# KiCad board Marble.kicad_pcb (continued)
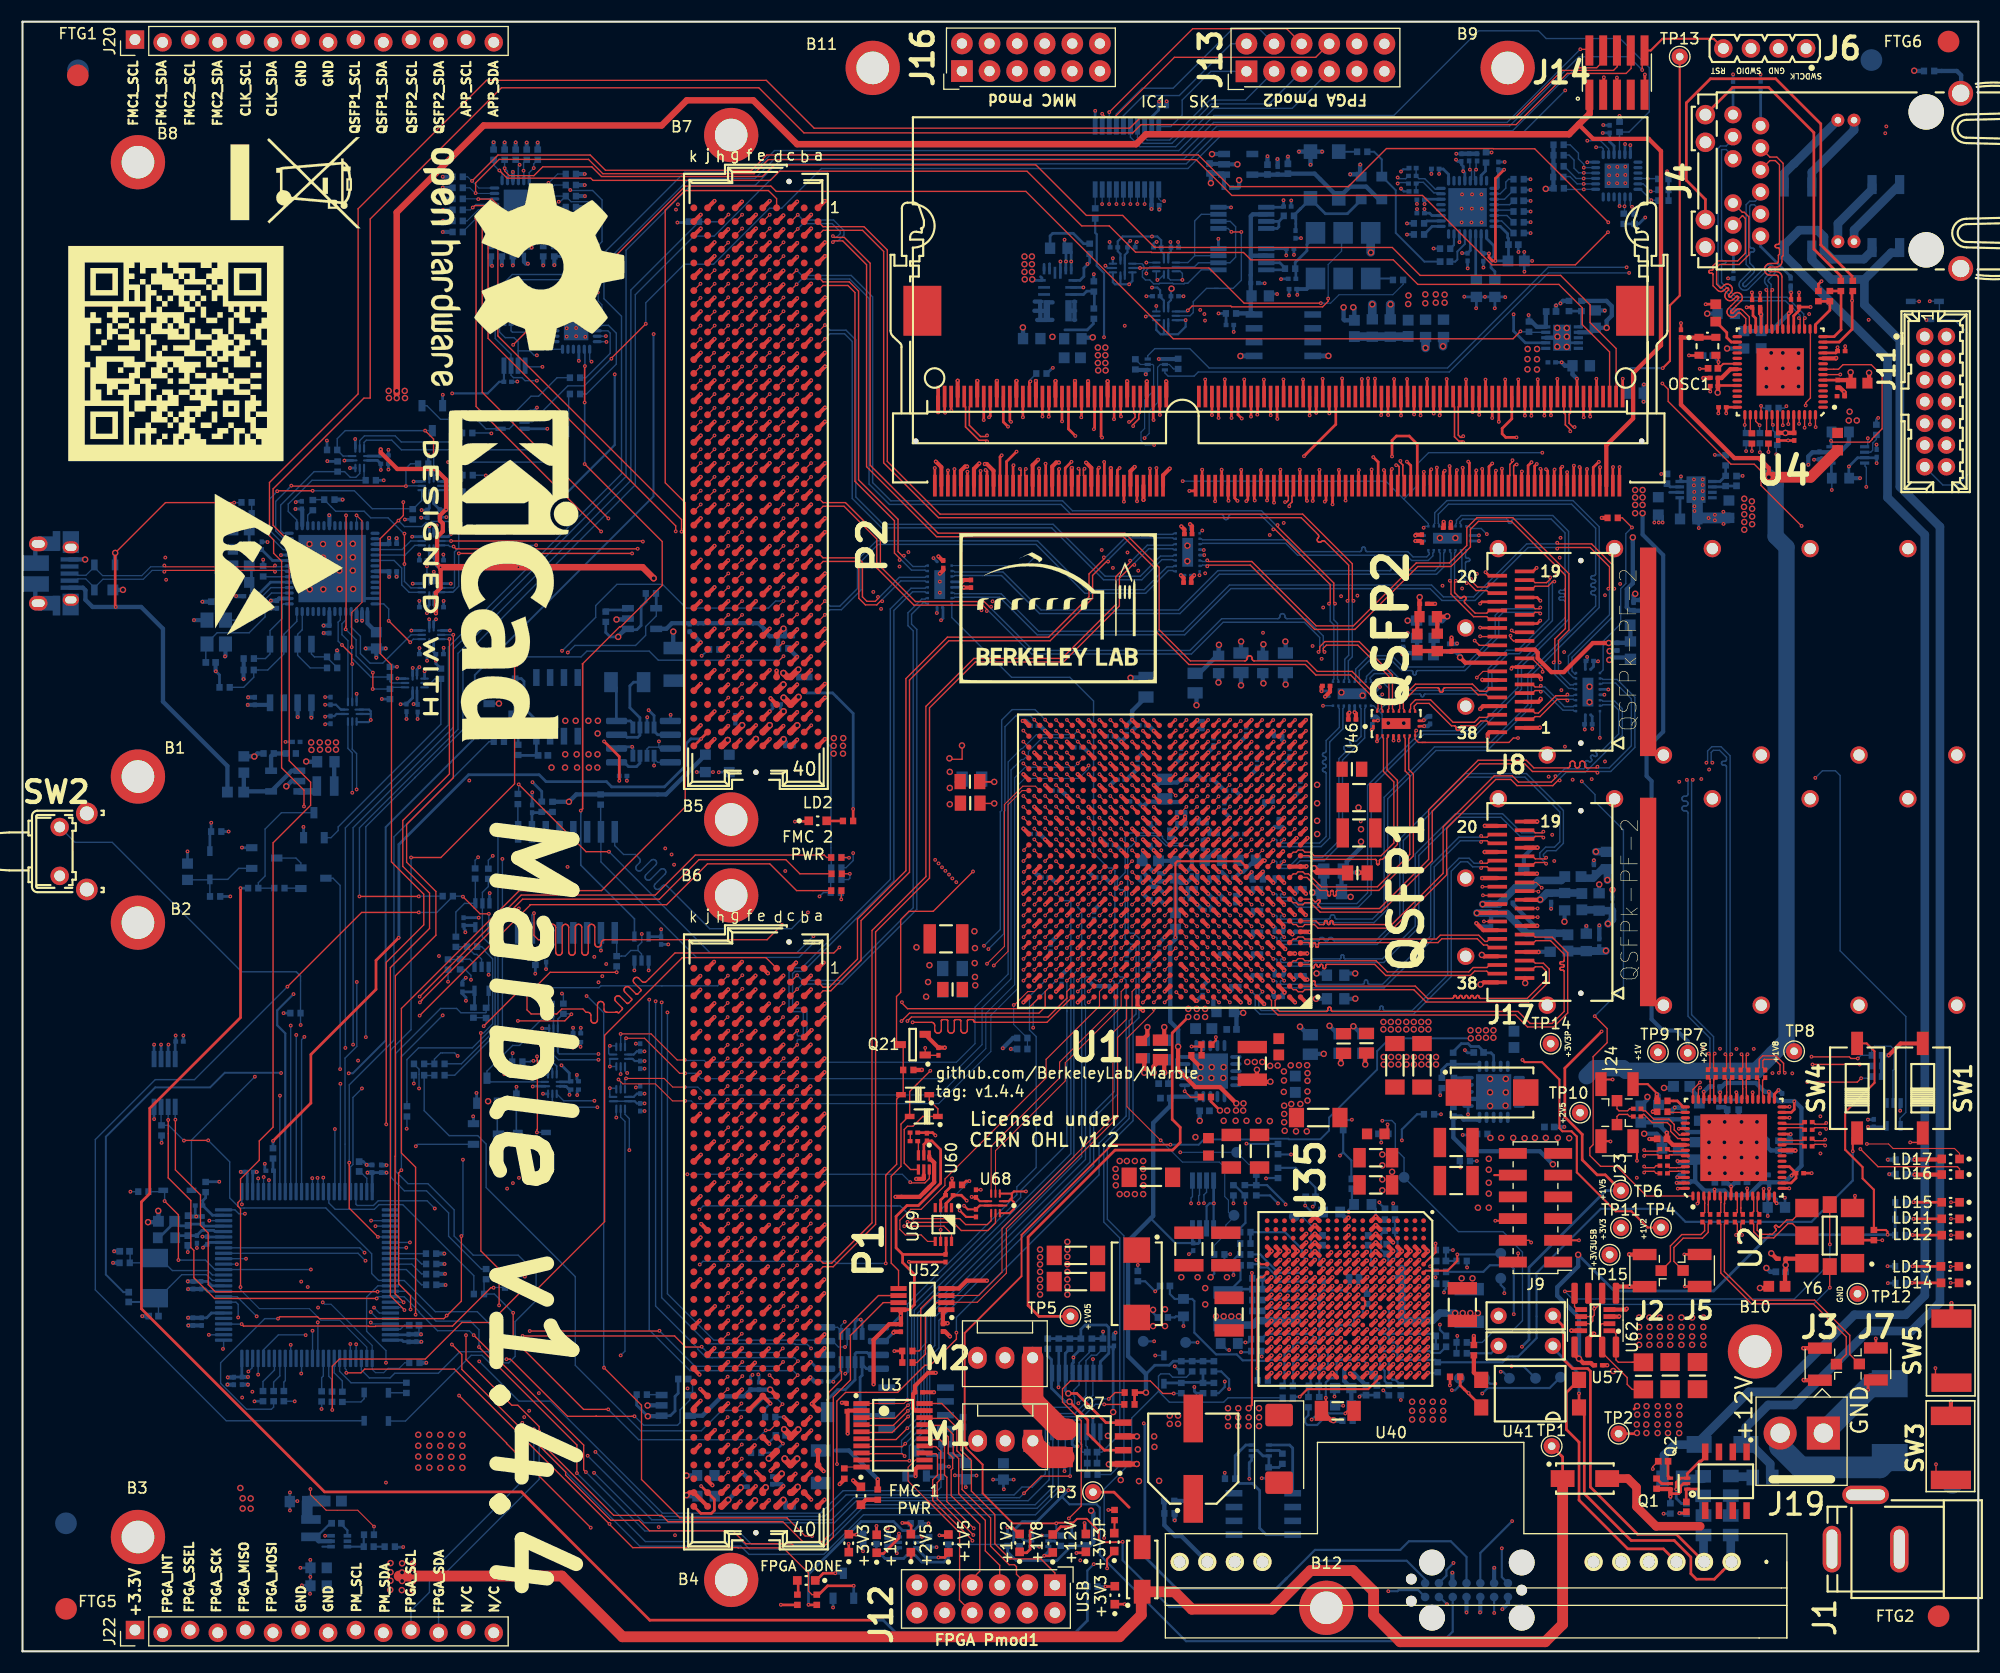
[diagram p0: board, top side]
## Routing (per net, layer and track width the routed paths; a pad name or vN(x,y) marks a point on that pad's centre or on a via; arc(x,y) is an arc through that point) (continued)
  Top w0.381: U1.M7 v1(112.12,70.73) ; U1.K4 v1(115.12,68.73) ; U1.M4 v1(115.12,70.73) ; U1.L5 v1(114.12,69.73) ; U1.M9 v1(110.12,70.73) ; U1.P13 v1(106.12,73.73) ; U1.L16 v1(102.12,69.73) ; U1.L12 v1(107.12,69.73) ; U1.V15 v1(103.12,77.73) ; U1.M15 v1(103.12,70.73) ; U1.AE14 v1(104.12,84.73) ; U1.AE24 v1(94.12,84.73) ; U1.R24 v1(94.12,74.73) ; U1.AD17 v1(101.12,83.73) ; U1.AA16 v1(102.12,80.73) ; U1.T15 v1(103.12,75.73) ; U1.AB23 v1(95.12,81.73) ; U1.AA26 v1(92.12,80.73) ; U1.U18 v1(100.12,76.73) ; U1.P15 v1(103.12,73.73) ; U1.P17 v1(101.12,73.73) ; U1.U14 v1(104.12,76.73) ; U1.L10 v1(109.12,69.73) ; U1.K11 v1(108.12,68.73) ; U1.L14 v1(104.12,69.73) ; U1.AC20 v1(98.12,82.73) ; U1.Y19 v1(99.12,79.73) ; U1.T13 v1(106.12,75.73) ; U1.R14 v1(104.12,74.73) ; U1.N14 v1(104.12,71.73) ; U1.K7 v1(112.12,68.73) ; U1.K9 v1(110.12,68.73) ; U1.K13 v1(105.12,68.73) ; U1.J12 v1(107.12,67.73) ; U1.T1 v1(118.12,75.73) ; U1.U10 v1(109.12,76.73) ; U1.G8 v1(111.12,65.73) ; U1.E7 v1(112.12,63.73) ; U1.Y9 v1(110.12,79.73) ; U1.F4 v1(115.12,64.73) ; U1.W12 v1(107.12,78.73) ; U1.A7 v1(112.12,59.73) ; U1.D4 v1(115.12,62.73) ; U1.D7 v1(112.12,62.73) ; U1.B7 v1(112.12,60.73) ; U1.C7 v1(112.12,61.73) ; U1.C5 v1(114.12,61.73) ; U1.U8 v1(111.12,76.73) ; U1.AC10 v1(109.12,82.73) ; U1.G5 v1(114.12,65.73) ; U1.R10 v1(109.12,74.73) ; U1.W2 v1(117.12,78.73) ; U1.N7 v1(112.12,71.73) ; U1.AD7 v1(112.12,83.73) ; U1.AF11 v1(108.12,85.73) ; U1.E5 v1(114.12,63.73) ; U1.F7 v1(112.12,64.73) ; U1.H7 v1(112.12,66.73) ; U1.T4 v1(115.12,75.73) ; U1.V5 v1(114.12,77.73) ; U1.P9 v1(110.12,73.73) ; U1.AF1 v1(118.12,85.73) ; U1.R8 v1(111.12,74.73) ; U1.R5 v1(114.12,74.73) ; U1.AA6 v1(113.12,80.73) ; U1.F11 v1(108.12,64.73) ; U1.H4 v1(115.12,66.73) ; U1.AB13 v1(106.12,81.73) ; U1.J5 v1(114.12,67.73) ; U1.AB3 v1(116.12,81.73) ; U1.T9 v1(110.12,75.73) ; U1.T11 v1(108.12,75.73) ; U1.N10 v1(109.12,71.73) ; U1.L1 v1(118.12,69.73) ; U1.P4 v1(115.12,73.73) ; U1.T3 v1(116.12,75.73) ; U1.C10 v1(109.12,61.73) ; U1.E8 v1(111.12,63.73) ; U1.A1 v1(118.12,59.73) ; U1.A2 v1(117.12,59.73) ; U1.K19 v1(99.12,68.73) ; U1.E24 v1(94.12,63.73) ; U1.E14 v1(104.12,63.73) ; U1.J22 v1(96.12,67.73) ; U1.A26 v1(92.12,59.73) ; U1.B13 v1(105.12,60.73) ; U1.M23 v1(95.12,70.73) ; U1.H15 v1(103.12,66.73) ; U1.D17 v1(101.12,62.73) ; U1.L26 v1(92.12,69.73) ; P1.A29 v1(73.81,27.91) ; P1.A28 v1(73.81,29.18) ; 138.27,71.57 139.38,71.57 v1(139.39,71.58) ; v1(62.33,30.45) 61.78,29.9 P1.K27 ; P2.H3 64.37,130.33 v1(64.94,130.9) ; P1.C40 70.7,13.34 v1(71.29,13.94) ; v1(62.38,24.15) 63.03,23.5 P1.J32 ; P2.G5 65.64,127.79 v1(66.22,128.36) ; P1.D3 69.43,60.33 v1(70.03,60.93) ; v1(84.27,114.06) 84.27,114.07 SK1.2 ; P2.H39 64.37,84.61 v1(64.94,85.18) ; v1(70.03,57.12) 69.43,56.52 P1.D6 ; P2.E26 v1(68.77,101.76) ; v1(64.94,127.09) 64.37,126.52 P2.H6 ; v1(88.06,109.34) 87.57,108.85 SK1.13 ; SK1.72 105.27,116.88 v1(105.25,116.89) ; P1.D37 68.87,16.61 v1(68.85,16.61) ; P2.E11 v1(68.77,120.81) ; v1(71.29,83.91) 70.72,83.34 P2.C40 ; P1.G26 65.62,31.12 v1(66.22,31.72) ; v1(63.65,46.93) 63.08,46.36 P1.J14 ; P1.F18 v1(67.46,41.88) ; 121.36,55.05 121.34,55.03 v2(121.34,54.13) ; P2.F36 v1(67.5,89.06) ; P2.H36 64.37,88.42 v1(64.94,88.99) ; P1.J20 v1(62.46,39.34) ; P1.C24 70.7,33.66 v1(71.29,34.26) ; P1.C12 70.7,48.9 v1(71.29,49.5) ; v1(66.22,59.66) 65.62,59.06 P1.G4 ; v1(71.29,44.42) 70.7,43.82 P1.C16 ; v1(64.94,100.42) 64.37,99.85 P2.H27 ; v1(64.94,119.47) 64.37,118.9 P2.H12 ; P1.B6 72.61,57.19 v1(72.62,57.19) ; P2.J8 v1(63.69,124.62) ; P1.H33 64.35,22.23 v1(64.94,22.83) ; P2.F39 v1(67.5,85.25) ; P1.H3 64.35,60.33 v1(64.94,60.93) ; v1(71.29,97.88) 70.72,97.31 P2.C29 ; v1(71.29,119.47) 70.72,118.9 P2.C12 ; 73.19,32.36 v1(73.78,32.96) ; U1.F21 97.12,64.73 v1(97.12,64.73) ; v1(98.07,116.91) 98.07,116.91 SK1.48 ; v2(61.11,14.37) 61.13,14.37 61.39,14.62 61.77,14.62 P1.K39 P1.J40 ; v1(97.12,75.73) 97.12,75.73 U1.T21 ; P2.C13 70.72,117.63 v1(71.29,118.2) ; P2.B35 v1(72.58,90.33) ; v1(64.94,115.66) 64.37,115.09 P2.H15 ; P1.A12 v1(73.81,49.5) ; C314.2 v1(83.89,23.84) ; v1(139.72,87.68) 139.72,87.6 139.53,87.4 J8.4 ; v1(84.06,109.51) 84.57,109 SK1.3 ; v1(63.73,31.77) 63.08,31.12 P1.J26 ; P1.K15 61.81,45.09 v1(62.43,45.71) ; v1(71.29,43.15) 70.7,42.55 P1.C17 ; v1(107,76.83) 107,76.61 U1.U12 ; P2.C17 70.72,112.55 v1(71.29,113.12) ; 114.35,52.42 114.84,52.42 v2(114.85,52.43) ; P1.A13 73.21,47.65 v1(73.78,48.23) ; P1.C8 70.7,53.98 v1(71.29,54.58) ; P2.K39 v1(62.42,85.25) ; v1(64.94,38.07) 64.35,37.47 P1.H21 ; P2.K2 v1(62.42,132.24) ; P2.J29 v1(63.69,97.95) ; P1.G29 65.62,27.31 v1(66.22,27.91) ; P1.D19 69.43,40.01 v1(70.03,40.61) ; P1.K18 v1(62.41,41.9) ; v1(71.29,58.39) 70.7,57.79 P1.C5 ; P2.E40 v1(68.77,83.98) ; P2.G40 65.59,83.42 v1(66.09,83.91) ; P2.G23 v1(66.23,105.57) ; v1(70.03,127.09) 69.45,126.52 P2.D6 ; v1(106.65,103.55) 106.94,103.26 C395.2 ; P1.B34 71.94,20.98 v1(72.54,21.58) ; P2.D3 69.45,130.33 v1(70.03,130.9) ; v1(70.03,29.18) 69.43,28.58 P1.D28 ; v1(73.73,16.58) 73.21,17.1 P1.A37 P1.A36 ; P1.C33 70.7,22.23 v1(71.29,22.83) ; J8.7 139.53,89.8 139.75,89.58 v1(139.75,89.47) ; P2.J32 v1(63.69,94.14) ; v1(66.22,46.96) 65.62,46.36 P1.G14 ; v1(97.89,109.41) 98.37,108.93 SK1.49 ; SK1.55 100.17,108.9 v1(100.16,108.91) ; v1(71.29,108.04) 70.72,107.47 P2.C21 ; U3.11 82.38,16.96 82.19,16.77 v1(82.19,16.12) ; J8.35 134.42,87 v1(134.15,86.73) ; P2.G14 65.64,116.36 v1(66.22,116.93) ; P2.A9 v1(73.85,123.35) ; v1(96.12,78.73) 96.12,78.73 U1.W22 ; v1(64.94,41.88) 64.35,41.28 P1.H18 ; P1.F12 v1(67.46,49.5) ; P2.B34 v1(72.58,91.6) ; U1.N5 114.18,72.79 v1(114.32,72.79) ; P2.K36 v1(62.42,89.06) ; v1(67.38,18.96) 66.86,18.44 P1.F36 ; P1.D25 69.43,32.39 v1(70.03,32.99) ; SK1.65 103.17,105.99 v1(103.17,105.98) ; v1(64.94,30.45) 64.35,29.85 P1.H27 ; P2.F21 v1(67.5,108.11) ; v1(118.24,64.24) 118.23,64.23 U1.E1 ; P1.F33 P1.E32 68.14,23.5 v1(68.83,22.81) ; P2.A17 v1(73.85,113.19) ; P1.D39 69.43,14.61 v1(70.03,15.21) ; 61.78,61.57 v1(62.38,62.17) ; P2.C16 70.72,113.82 v1(71.29,114.39) ; P2.C36 70.72,88.42 v1(71.29,88.99) ; P1.F21 v1(67.43,38.04) ; U1.A16 102.62,59.42 102.87,59.17 102.91,59.17 103.14,58.95 ; v1(68.68,27.88) 68.13,27.33 P1.E29 ; P2.C28 70.72,98.58 v1(71.29,99.15) ; P1.G38 65.62,15.88 v1(66.22,16.48) ; P2.H33 64.37,92.23 v1(64.94,92.8) ; SW3.1 v1(177.48,22.98) ; P2.A8 v1(73.85,124.62) ; P1.D16 69.43,43.82 v1(70.03,44.42) ; v1(66.22,58.39) 65.62,57.79 P1.G5 ; P2.K33 v1(62.42,92.87) ; v1(86.94,109.06) 86.75,109.06 86.37,108.68 SK1.9 ; P2.B11 v1(72.58,120.81) ; v1(71.29,27.91) 70.7,27.31 P1.C29 ; v1(118.46,66.19) 118.42,66.23 U1.G1 ; P2.E14 v1(68.77,117) ; P1.D13 69.43,47.63 v1(70.03,48.23) ; P2.E32 v1(68.77,94.14) ; P2.J23 v1(63.69,105.57) ; v1(67.43,53.31) 66.86,52.73 P1.F9 ; P2.E20 v1(68.77,109.38) ; P2.E1 v1(68.77,133.51) ; P1.C1 v1(71.19,63.39) ; P2.E17 v1(68.77,113.19) ; v1(67.46,45.66) 66.89,45.09 P1.F15 ; v1(70.03,122.01) 69.45,121.44 P2.D10 ; P2.C38 70.72,85.88 v1(71.29,86.45) ; 73.19,33.63 v1(73.78,34.23) ; P2.H18 64.37,111.28 v1(64.94,111.85) ; U1.J2 117.07,67.78 v1(117.1,67.78) ; v1(63.73,20.37) 63.05,19.7 P1.J35 ; P1.C21 70.7,37.47 v1(71.29,38.07) ; v2(123.58,54.02) 123.58,55.01 123.54,55.05 ; P2.C9 70.72,122.71 v1(71.29,123.28) ; v1(96.86,116.93) 96.87,116.92 SK1.44 ; P1.E1 68.59,62.41 v1(68.6,62.41) ; P1.A40 73.21,13.36 v1(73.81,13.96) ; v1(64.94,123.28) 64.37,122.71 P2.H9 ; v1(117.25,74.85) 117.24,74.85 U1.R2 ; v1(68.7,39.26) 68.18,38.74 P1.E20 ; 71.92,46.36 v1(72.51,46.96) ; P2.D7 69.45,125.25 v1(70.03,125.82) ; P2.J40 v1(63.69,83.98) ; P2.G35 65.64,89.69 v1(66.22,90.26) ; v1(70.03,85.18) 69.45,84.61 P2.D39 ; U1.N20 98.12,71.73 v1(98.12,71.73) ; P1.C32 70.7,23.5 v1(71.29,24.1) ; v1(71.29,94.07) 70.72,93.5 P2.C32 ; v1(64.94,45.69) 64.35,45.09 P1.H15 ; 73.24,37.42 v1(73.84,38.01) ; v1(71.29,53.31) 70.7,52.71 P1.C9 ; v1(70.03,36.8) 69.43,36.2 P1.D22 ; P1.K6 v1(62.38,57.12) ; P1.G11 65.62,50.17 v1(66.22,50.77) ; v1(114.28,59.58) 114.27,59.58 U1.A5 ; 86.07,116.95 v1(86.07,116.95) SK1.8 ; P1.C20 70.7,38.74 v1(71.29,39.34) ; U1.E2 117.11,64.23 v1(117.12,64.22) ; P1.K30 61.78,25.99 v1(62.3,25.47) ; P1.B31 72.07,24.77 v1(72.51,25.21) ; P2.B30 v1(72.58,96.68) ; 71.94,39.98 v1(72.54,40.58) ; P2.B3 v1(72.58,130.97) ; v1(67.5,16.53) 68.13,15.9 P1.E38 ; P1.A8 v1(73.81,54.58) ; P2.D16 69.45,113.82 v1(70.03,114.39) ; v1(66.22,39.34) 65.62,38.74 P1.G20 ; P1.E4 v1(68.7,59.63) ; P1.A9 v1(73.81,53.31) ; C397.2 84.74,99.52 v1(84.43,99.2) ; P1.E11 v1(68.7,50.74) ; v1(67.48,15.21) 66.89,14.61 P1.F39 ; v1(70.03,106.77) 69.45,106.2 P2.D22 ; P2.C4 70.72,129.06 v1(71.29,129.63) ; v1(128.19,102.2) 128.68,102.2 C292.2 ; SK1.20 89.67,116.93 v1(89.68,116.94) ; P2.G32 65.64,93.5 v1(66.22,94.07) ; SK1.43 96.57,108.92 v1(96.58,108.93) ; v1(66.22,35.53) 65.62,34.93 P1.G23 ; P1.G1 65.62,62.87 v1(66.22,63.47) ; v1(88.57,109.29) 88.76,109.29 89.37,108.68 SK1.19 ; P2.A1 v1(73.85,133.51) ; 71.92,45.09 v1(72.51,45.69) ; P1.A32 73.21,23.35 v1(72.64,22.77) 73.19,22.23 P1.A33 ; P1.E17 v1(68.7,43.12) ; P2.G20 65.64,108.74 v1(66.22,109.31) ; P2.F30 v1(67.5,96.68) ; P1.H9 64.35,52.71 v1(64.94,53.31) ; P1.J23 v1(63.65,35.53) ; SK1.66 103.47,116.89 v1(103.48,116.89) ; P2.B7 v1(72.58,125.89) ; U1.C1 118.03,61.82 v1(118.25,61.82) ; v1(116.02,73.64) 116.02,73.63 U1.P3 ; P1.B39 v1(72.59,13.96) ; v1(70.03,62.2) 69.43,61.6 P1.D2 ; P2.D37 68.85,87.7 v1(68.85,87.73) ; v1(66.22,54.58) 65.62,53.98 P1.G8 ; C306.2 130.79,103.45 v1(130.79,103.97) ; P2.A33 v1(73.85,92.87) ; v1(134.35,89.43) 134.38,89.4 J8.32 ; P2.A40 v1(73.85,83.98) ; P1.C28 70.7,28.58 v1(71.29,29.18) ; P2.A25 v1(73.85,103.03) ; v2(108.43,53.77) 107.6,54.61 107.6,54.77 ; 73.24,43.82 v1(73.84,44.42) ; P2.A21 v1(73.85,108.11) ; v1(93.14,66.73) 93.14,66.75 U1.H25 ; v1(75.41,22.88) 75.86,22.88 ; v1(71.29,133.44) 70.72,132.87 P2.C1 ; v1(95.12,60.74) 95.13,60.74 U1.B23 ; v1(102.36,109.02) 101.97,108.63 SK1.61 ; P1.K21 v1(62.41,38.09) ; P2.K27 v1(62.42,100.49) ; P2.F2 v1(67.5,132.24) ; P2.E4 v1(68.77,129.7) ; P2.E5 v1(68.77,128.43) ; P1.E26 v1(68.75,31.74) ; P2.K18 v1(62.42,111.92) ; P2.A36 v1(73.85,89.06) ; P2.B14 v1(72.58,117) ; P2.E29 v1(68.77,97.95) ; v1(106.61,99.05) 106.86,98.8 C104.2 ; P2.F12 v1(67.5,119.54) ; v1(62.41,23.06) 61.78,22.44 P1.K33 ; P2.J26 v1(63.69,101.76) ; P2.F9 v1(67.5,123.35) ; v1(71.29,92.8) 70.72,92.23 P2.C33 ; v1(97.12,85.73) 97.12,85.73 U1.AF21 ; U1.B4 115.12,60.73 115.12,60.71 v1(115.15,60.68) ; v1(116.1,68.7) 116.1,68.75 U1.K3 ; P1.E23 68.13,34.95 v1(68.6,35.42) ; v1(105.13,70.73) 105.13,70.74 U1.M13 ; P2.K9 v1(62.42,123.35) ; 174.89,55.94 172.85,55.94 v1(171.76,54.86) ; P1.K36 v1(62.35,18.99) ; P1.C36 70.7,18.42 v1(71.29,19.02) ; P1.B10 v1(72.51,52.01) ; P2.A16 73.21,113.84 v1(73.85,114.48) ; 73.24,59.03 v1(73.84,59.63) ; v1(119.56,88.38) 119.56,88.78 C396.2 ; P2.K21 v1(62.42,108.11) ; v1(70.03,132.17) 69.45,131.6 P2.D2 ; v1(115.13,84.73) 115.12,84.73 U1.AE4 ; P2.A5 v1(73.85,128.43) ; v1(118.17,72.26) 118.14,72.23 U1.N1 U1.N2 ; v1(66.22,129.63) 65.64,129.06 P2.G4 ; v1(87.88,116.94) 87.87,116.93 SK1.14 ; P2.F33 v1(67.5,92.87) ; P2.A32 v1(73.85,94.14) ; C305.2 122.72,86.31 v1(122.6,86.43) ; v1(91.49,116.94) 91.47,116.92 SK1.26 ; J8.38 135.02,84.6 134.85,84.43 v1(134.85,84.13) ; SK1.54 99.87,116.9 v1(99.87,116.91) ; P1.J1 v1(63.65,63.47) ; P2.J20 v1(63.69,109.38) ; v1(116.21,64.63) 116.21,64.64 U1.F3 ; P2.K15 v1(62.42,115.73) ; P1.E8 68.16,53.98 v1(68.75,54.58) ; P2.B26 v1(72.58,101.76) ; 73.24,42.55 v1(73.84,43.15) ; v1(64.94,57.12) 64.35,56.52 P1.H6 ; v1(133.8,67.02) 134.45,66.37 135.76,66.37 ; P2.G11 65.64,120.17 v1(66.22,120.74) ; v1(139.65,85.03) 139.62,85 J8.1 ; P2.H24 64.37,103.66 v1(64.94,104.23) ; 71.97,34.93 v1(72.56,35.53) ; v1(66.09,13.81) 65.62,13.34 P1.G40 ; P1.B11 v1(72.56,50.79) ; P1.G35 65.62,19.69 v1(66.22,20.29) ; v1(66.22,133.44) 65.64,132.87 P2.G1 ; P1.B38 71.94,15.9 v1(72.56,16.53) ; v1(63.67,27.91) 63.08,27.31 P1.J29 ; P2.B2 v1(72.58,132.24) ; U1.G18 v1(100.12,65.73) ; P1.K12 v1(62.38,49.5) ; P2.D13 69.45,117.63 v1(70.03,118.2) ; P2.C20 70.72,108.74 v1(71.29,109.31) ; v1(84.88,55.57) 84.88,55.56 C418.2 83.08,56.78 Q21.2 ; P2.G17 65.64,112.55 v1(66.22,113.12) ; P2.K3 v1(62.42,130.97) ; v1(71.29,124.55) 70.72,123.98 P2.C8 ; P1.H12 64.35,48.9 v1(64.94,49.5) ; U1.R1 118.25,74.86 v1(118.25,74.87) ; U1.J1 118.08,67.77 v1(118.11,67.77) ; P2.G38 65.64,85.88 v1(66.22,86.45) ; P2.F24 v1(67.5,104.3) ; v1(64.94,34.26) 64.35,33.66 P1.H24 ; SW5.1 v1(177.53,32.06) ; P2.J35 v1(63.69,90.33) ; v1(64.94,108.04) 64.37,107.47 P2.H21 ; v1(98.12,61.73) 98.12,61.73 U1.C20 ; P2.C5 70.72,127.79 v1(71.29,128.36) ; v1(64.94,15.21) 64.35,14.61 P1.H39 ; v1(105.59,108.87) 104.97,108.25 SK1.71 ; 71.97,60.33 v1(72.56,60.93) ; 113.61,52.41 v2(113.61,53.53) ; v1(95.07,116.93) 95.07,116.93 SK1.38 ; P2.F6 v1(67.5,127.16) ; v1(71.29,32.99) 70.7,32.39 P1.C25 ; P1.C4 70.7,59.06 v1(71.29,59.66) ; v1(64.94,26.64) 64.35,26.04 P1.H30 ; P1.A1 v1(73.73,63.39) ; P2.F18 v1(67.5,111.92) ; P1.K24 v1(62.38,34.26) ; 71.97,36.2 v1(72.56,36.8) ; P2.G26 65.64,101.12 v1(66.22,101.69) ; v1(93.47,109.68) 92.97,109.18 SK1.31 ; P2.D19 69.45,110.01 v1(70.03,110.58) ; P2.C24 70.72,103.66 v1(71.29,104.23) ; P1.F3 v1(67.46,60.93) ; P1.E40 v1(68.7,13.91) ; SK1.32 93.27,116.93 v1(93.27,116.93) ; P1.J11 v1(63.67,50.79) ; P2.A20 v1(73.85,109.38) ; P2.B15 v1(72.58,115.73) ; P1.C38 v1(71.14,16.35) ; P2.H30 v1(64.96,96.68) ; P2.J5 v1(63.69,128.43) ; v1(66.09,43.15) 66.09,43.04 P1.G17 ; P2.F27 v1(67.5,100.49) ; 73.24,57.76 v1(73.84,58.36) ; U1.A6 112.93,59.92 v1(112.93,59.68) ; P2.E23 v1(68.77,105.57) ; v1(101.66,116.91) 101.67,116.9 SK1.60 ; P2.B23 v1(72.58,105.57) ; v1(95.39,109.43) 95.14,109.43 94.77,109.05 SK1.37 ; P2.A37 v1(73.85,87.79) ; P2.G8 65.64,123.98 v1(66.22,124.55) ; P1.B35 v1(72.59,20.34) ; P1.F2 v1(67.46,62.2) ; v1(63.62,54.58) 63.05,54 P1.J8 ; P1.G32 65.62,23.5 v1(66.22,24.1) ; P2.B19 v1(72.58,110.65) ; v1(66.22,97.88) 65.64,97.31 P2.G29 ; v1(64.94,19.02) 64.35,18.42 P1.H36 ; P2.B6 v1(72.58,127.16) ; v1(67.41,26.57) 66.88,26.04 P1.F30 ; P2.F3 v1(67.5,130.97) ; v1(70.03,99.15) 69.45,98.58 P2.D28 ; P2.E8 v1(68.77,124.62) ; P2.J1 v1(63.69,133.51) ; P2.B31 v1(72.58,95.41) ; v1(63.5,15.28) 63.05,15.73 P1.J38 ; P1.B30 v1(72.54,26.64) ; P2.B22 v1(72.58,106.84) ; P1.D7 69.43,55.25 v1(70.03,55.85) ; P2.A4 v1(73.85,129.7) ; P2.K12 v1(62.42,119.54) ; v1(86.41,98.39) 86.63,98.61 C37.2 ; P2.J11 v1(63.69,120.81) ; P2.J38 v1(63.69,86.52) ; R300.2 v1(145.35,104.33) ; P1.E35 v1(68.73,19.09) ; 71.94,41.25 v1(72.54,41.85) ; P2.B27 v1(72.58,100.49) ; P2.E35 v1(68.77,90.33) ; U1.V25 93.12,77.73 v1(93.12,77.74) ; P2.K6 v1(62.42,127.16) ; P1.D10 69.43,51.44 v1(70.03,52.04) ; P2.D25 v1(70.04,103.03) ; P2.C25 v1(71.31,103.03) ; P2.B10 v1(72.58,122.08) ; 61.78,60.3 v1(62.38,60.9) ; 71.97,61.6 v1(72.56,62.2) ; P1.E14 v1(68.65,46.88) ; P2.A29 v1(73.85,97.95) ; P2.K24 v1(62.42,104.3) ; P2.A24 v1(73.85,104.3) ; P2.B18 v1(72.58,111.92) ; P2.F15 v1(67.5,115.73) ; v1(62.35,53.31) 61.78,52.73 P1.K9 ; P1.B7 v1(72.54,55.85) ; P2.J14 v1(63.69,117) ; P2.K30 v1(62.42,96.68) ; P1.F24 66.86,33.71 v1(67.43,34.28) ; P1.E5 v1(68.68,58.33) ; P2.J4 v1(63.69,129.7) ; P1.J17 v1(63.67,43.17) ; P2.A28 v1(73.85,99.22) ; P2.B38 v1(72.58,86.52) ; P1.F27 v1(67.43,30.42) ; 71.94,31.09 v1(72.54,31.69) ; P1.F6 v1(67.46,57.12) ; P1.C13 70.7,47.63 v1(71.29,48.23) ; P2.E38 v1(68.77,86.52) ; P2.J17 v1(63.69,113.19) ; 73.24,38.69 v1(73.84,39.28) ; 63.08,59.06 v1(63.67,59.66) ; 63.08,57.79 v1(63.67,58.39) ; 71.94,29.82 v1(72.54,30.42) ; P2.A13 v1(73.85,118.27) ; P2.A12 v1(73.85,119.54)
  Top w0.4: v1(139.4,76.38) 139.4,76.37 138.27,76.37 ; v1(134.59,75.98) 134.6,75.97 135.76,75.97 ; 135.76,71.17 134.34,71.17 v1(134.33,71.17) ; v1(139.4,66.78) 139.4,66.77 138.27,66.77 ; 135.76,63.97 134.49,63.97 134.49,63.97 ; 138.27,64.37 139.52,64.37 v1(139.53,64.36) ; 134.49,61.57 134.49,61.57 135.76,61.57 ; 138.27,73.97 139.42,73.97 v1(139.43,73.98) ; 135.76,73.57 134.58,73.57 v1(134.58,73.57) ; 122.93,71.67 123.3,71.67 ; U35.W9 v1(114.95,33.63) ; U35.P3 v1(118.95,38.43) U35.N3 ; U35.N19 v1(119.75,25.63) ; v1(163.9,27.9) 163.91,27.9 J3.2 ; U35.D4 v1(126.95,36.83) U35.D5 ; U35.U14 v1(116.55,29.63) ; U35.L19 v1(120.55,25.63) U35.M19 ; U35.A9 v1(129.35,33.63) ; U35.V8 v1(115.75,34.43) ; U35.R3 v1(118.15,38.43) ; U35.B12 v1(128.55,31.23) ; U35.R19 v1(118.15,25.63) ; U35.E17 v1(126.15,27.23) ; U35.W12 v1(114.95,31.23) ; U35.E14 v1(126.15,29.63) ; U35.T14 v1(117.35,29.63) ; U35.V12 v1(115.75,31.23) ; U35.J15 v1(122.95,28.83) ; v2(105.08,53.26) 105.08,54.1 C287.2 104.1,53.83 v2(104.1,53.25) ; U35.T16 v1(117.35,28.03) ; U35.L17 v1(121.35,27.23) ; v2(169.95,117.68) 169.95,116.73 ; C53.2 167.26,116.32 v1(167.65,115.93) 167.7,115.88 C46.2 ; v1(144.65,29.23) 144.55,29.23 144.11,28.8 U62.6 ; U35.V6 v1(115.75,36.03) ; U35.F2 v1(124.55,39.23) U35.G2 ; C303.2 130.21,95.2 C297.2 131.09,95.23 v2(131.13,95.27) ; v1(82.25,43.48) 82.9,43.48 82.95,43.53 82.95,43.83 ; U35.B7 v1(128.55,35.23) ; U35.U16 v1(116.55,28.03) ; U35.A10 v1(129.35,32.83) ; U35.P5 v1(118.95,36.83) U35.N5 ; U35.C10 v1(127.75,32.83) ; C293.2 v1(130,96.42) ; U35.F1 v1(124.55,40.03) U35.G1 ; U35.C11 v1(127.75,32.03) ; U35.T5 v1(117.35,36.83) U35.T4 ; R34.2 150.06,49.66 v1(150.05,49.67) ; U35.B18 v1(128.55,26.43) ; U35.T18 v1(117.35,26.43) ; U35.P13 v1(118.95,30.43) ; U35.K13 v1(122.15,30.43) ; v1(146.95,30.83) 146.92,30.81 U57.3 ; U35.B15 v1(128.55,28.83) ; v1(116.45,32.73) 116.15,32.43 U35.U10 ; U35.R16 v1(118.15,28.03) ; U35.R4 v1(118.15,37.63) ; v1(122.04,39.91) 122.03,39.91 U35.K1 ; U35.E4 v1(126.15,36.83) U35.E5 ; U35.A11 v1(129.35,32.03) ; U35.N12 v1(119.75,31.23) ; U35.J7 v1(122.95,35.23) ; U35.G4 v1(124.55,37.63) U35.F4 ; U35.D15 v1(126.95,28.83) ; U35.N4 v1(118.95,37.63) U35.P4 ; U35.G3 v1(124.55,38.43) U35.F3 ; C29.2 161.45,36.13 v2(160.95,36.63) ; 138.27,61.97 138.3,61.94 v2(138.3,61.51) ; U35.H7 v1(123.75,35.23) ; v1(76.45,15.73) 77.04,15.14 LD1.1 ; v1(80.16,29.33) 80.24,29.41 C20.2 ; U35.J14 v1(122.95,29.63) ; U35.V18 v1(115.75,26.43) ; U35.B14 v1(128.55,29.63) ; U35.B11 v1(128.55,32.03) ; v1(125.33,35.96) 125.28,35.96 U35.F6 ; U35.C14 v1(127.75,29.63) ; U35.B17 v1(128.55,27.23) ; U35.H14 v1(123.75,29.63) ; U35.W4 v1(114.95,36.83) U35.W5 ; C21.2 84.9,29.43 v1(85.36,28.98) ; U35.V7 v1(115.75,35.23) ; U35.E18 v1(126.15,26.43) ; U35.R18 v1(118.15,26.43) ; U35.A12 v1(129.35,31.23) ; U35.C18 v1(127.75,26.43) ; U35.K14 v1(122.15,29.63) ; U35.V10 v1(115.75,32.83) ; U35.C15 v1(127.75,28.83) ; v2(103.24,53.25) 103.24,54.31 C281.2 ; U35.W16 v1(114.95,28.03) ; U35.B9 v1(128.55,33.63) ; U35.M13 v1(120.55,30.43) ; U35.N6 v1(119.75,36.03) ; U35.K4 v1(122.05,37.53) ; C300.2 131.52,92.75 v1(131.52,93.31) ; U35.G10 v1(124.55,32.83) ; U35.J16 v1(122.95,28.03) ; U35.B4 v1(128.55,36.83) U35.B5 ; U35.G5 v1(124.55,36.83) U35.F5 ; U35.A15 v1(129.35,28.83) ; U35.T17 v1(117.35,27.23) ; v1(123.73,36.75) 123.67,36.75 U35.H5 ; U35.C6 v1(127.75,36.03) ; U35.D14 v1(126.95,29.63) ; U35.B6 v1(128.55,36.03) ; U35.A17 v1(129.35,27.23) ; U35.T19 v1(117.35,25.63) ; U35.J9 v1(122.95,33.63) ; U35.V16 v1(115.75,28.03) ; U35.G6 124.52,36 v1(124.52,36.04) ; U35.A19 v1(129.35,25.63) ; U35.E15 v1(126.15,28.83) ; v1(147.87,36.54) 147.89,36.52 J2.2 ; C378.2 v1(145.85,26.33) ; U35.C16 v1(127.75,28.03) ; U35.B8 v1(128.55,34.43) ; U35.V4 v1(115.75,36.83) U35.V5 ; U35.C17 v1(127.75,27.23) ; U35.V17 v1(115.75,27.23) ; U35.C4 v1(127.75,36.83) U35.C5 ; U35.J18 v1(122.95,26.43) ; U35.A4 v1(129.35,36.83) U35.A5 ; U35.W15 v1(114.95,28.83) ; U35.V9 v1(115.75,33.63) ; U35.U11 116.15,31.63 v1(116.45,31.93) ; U35.R17 v1(118.15,27.23) ; U35.K5 v1(122.05,36.73) ; U35.D6 v1(126.95,36.03) ; U35.W10 v1(114.95,32.83) ; U35.W11 v1(114.95,32.03) ; U35.R13 v1(118.15,30.43) ; R33.2 150.42,50.71 v1(150.42,51.27) ; U35.M5 v1(120.45,36.73) ; U35.L7 v1(121.35,35.23) ; U35.W18 v1(114.95,26.43) ; U35.M17 v1(120.55,27.23) ; U35.L13 v1(121.35,30.43) ; U35.U17 v1(116.55,27.23) ; U35.A8 v1(129.35,34.43) ; U35.U19 v1(116.55,25.63) ; U35.D16 v1(126.95,28.03) ; U35.U4 v1(116.55,36.83) U35.U5 ; v1(142.55,29.53) 142.58,29.51 U57.8 ; v1(166.93,119.05) 166.89,119.01 U4.10 ; U35.V11 v1(115.75,32.03) ; U35.V15 v1(115.75,28.83) ; U35.C8 v1(127.75,34.43) ; U35.W14 v1(114.95,29.63) ; U35.M12 v1(120.55,31.23) ; U62.1 146.66,33.34 146.89,33.57 v1(147.88,33.57) 147.88,33.57 J2.2 ; U35.H16 v1(123.75,28.03) ; U35.P18 v1(118.95,26.43) ; U35.U18 v1(116.55,26.43) ; U35.U7 v1(116.55,35.23) ; U35.U15 v1(116.55,28.83) ; U35.N17 v1(119.75,27.23) ; U35.A16 v1(129.35,28.03) ; U35.M14 v1(120.55,29.63) ; U35.N18 v1(119.75,26.43) ; U35.K3 v1(122.05,38.33) ; U35.K2 v1(122.05,39.13) ; U35.L11 v1(121.35,32.03) ; U35.P14 v1(118.95,29.63) ; U35.B19 v1(128.55,25.63) ; U35.F7 v1(125.35,35.23) ; U35.K12 v1(122.15,31.23) ; U35.L16 v1(121.35,28.03) ; U35.P19 v1(118.95,25.63) ; U35.E3 v1(126.15,37.63) ; U35.J13 v1(122.95,30.43) ; v1(163.93,24.98) 163.96,24.95 J3.2 ; v1(88.76,34.12) 86.9,34.12 86.18,33.39 U52.4 ; U35.K16 v1(122.15,28.03) ; U35.R12 v1(118.15,31.23) ; U35.V19 v1(115.75,25.63) ; U35.K7 v1(122.15,35.23) ; U35.R5 v1(118.15,36.83) ; U35.P1 v1(118.95,40.03) U35.N1 ; U35.V14 v1(115.75,29.63) ; U35.M15 v1(120.55,28.83) ; U35.H12 v1(123.75,31.23) ; U35.W17 v1(114.95,27.23) ; U35.D17 v1(126.95,27.23) ; U35.D18 v1(126.95,26.43) ; U35.P12 v1(118.95,31.23) ; U35.E16 v1(126.15,28.03) ; U35.G12 v1(124.55,31.23) ; U35.L15 v1(121.35,28.83) ; U35.U12 116.15,30.83 v1(116.45,31.13) ; U35.E13 v1(126.15,30.43) ; U35.R14 v1(118.15,29.63) ; U35.F12 v1(125.35,31.23) ; U35.T6 v1(117.35,36.03) ; U35.W8 v1(114.95,34.43) ; U35.B16 v1(128.55,28.03) ; v1(116.55,34.43) U35.U8 ; U35.C7 v1(127.75,35.23) ; U35.D19 v1(126.95,25.63) ; C373.2 v1(149.73,47.16) ; U35.W19 v1(114.95,25.63) ; U35.N2 v1(118.95,39.23) U35.P2 ; U35.M18 v1(120.55,26.43) ; U35.P11 v1(118.95,32.03) ; U35.C12 v1(127.75,31.23) ; U35.U6 v1(116.55,36.03) ; v1(116.55,33.63) U35.U9 ; U35.B10 v1(128.55,32.83) ; U35.T15 v1(117.35,28.83) ; U35.E19 v1(126.15,25.63) ; U35.R15 v1(118.15,28.83) ; U35.M7 v1(120.55,35.23) ; U35.C19 v1(127.75,25.63) ; 155.34,117.2 v1(154.7,117.2) ; U35.E12 v1(126.15,31.23) ; U35.H17 v1(123.75,27.23) ; U35.A18 v1(129.35,26.43) ; U35.L14 v1(121.35,29.63) ; U35.L18 v1(121.35,26.43) ; U35.C9 v1(127.75,33.63) ; U35.A14 v1(129.35,29.63) ; v1(133.58,29.02) R281.2 ; U35.K6 v1(122.15,36.03) ; U35.M10 v1(120.55,32.83) ; U35.K11 v1(122.15,32.03) ; U35.N14 v1(119.75,29.63) ; U35.N13 v1(119.75,30.43)
  Top w0.5: 102.59,19.76 102.57,19.78 Q7.3 ; 100.03,17.24 Q7.1 102.57,17.24 102.59,17.22
  Bottom w0.127: 175.29,122.55 175.29,122.55 C193.2 ; D15.2 v1(174.56,124.25) 174.56,124.25 ; 36.45,29.25 36.49,29.29 C307.1 ; U65.2 54.05,54.93 53.95,55.03 53.95,55.62 v1(54.06,55.73) 54.55,55.73 U65.3 ; U51.10 v1(54.65,49.13) ; U53.1 105.45,126.43 105.65,126.23 v1(106.75,126.23) 106.75,126.83 106.55,127.03 U53.10 ; U53.2 104.55,126.23 v1(104.45,126.23) 104.35,126.33 U53.3 ; U51.3 54.55,51.83 v1(54.06,51.83) 54.05,51.82 54.05,51.13 54.15,51.03 U51.2 ; 108.7,101.4 v1(108.72,101.37) ; R138.2 v1(9.93,42.31)
  Bottom w0.13: v1(73.35,69.48) 73.71,69.84 R285.2 74.38,70.98 R284.2
  Bottom w0.178: C375.2 153.4,119.26 v1(153.38,119.29)
  Bottom w0.2: C159.1 119.1,38.28 v1(118.95,38.43) ; R308.1 130.19,25.63 v1(129.35,25.63) 129.29,25.57 ; R207.2 125.64,47.71 v1(125.64,48.5) ; v1(45.54,116.88) 45.51,116.86 C412.2 ; R180.1 112.08,38.96 112.55,39.43 v1(112.55,41.23) 112.5,41.28 R192.1 111.57,42.9 R187.1 ; U67.2 101.05,125.83 ; 101.05,125.83 v1(101.85,125.83) 102.15,126.13 U67.10 ; 101.05,125.83 100.55,125.83 100.35,126.03 U67.3 ; U29.5 109.62,41.21 v1(109.65,41.23) 109.25,41.23 108.97,40.96 U29.6 ; R106.1 114.62,25.3 v1(114.95,25.63) ; R10.1 67.05,18.63 v1(67.38,18.96) ; 32.05,86.23 v1(32.05,85.73) 31.85,85.53 30.8,85.53 U66.3 ; 32.05,86.23 32.05,86.53 31.9,86.68 U66.1 ; 32.05,86.23 32,86.28 U66.2 ; C155.1 112.1,34.18 C160.1 ; U42.3 104.35,121.63 104.75,121.23 104.95,121.23 ; C425.2 27.9,85.38 v1(27.85,85.33) ; C140.1 125.7,37.63 v1(126.15,37.63) ; C61.2 69.33,19.85 68.73,19.24 v1(68.73,19.09) ; v1(130.83,33.03) 130.83,33.21 131,33.38 C151.1 ; R170.1 C157.1 131,36.91 R105.1 v1(131.65,36.93) ; C423.2 56.75,51.93 56.45,51.93 v1(56.45,51.9) ; C353.2 135.17,27.43 R169.1 ; v1(68.83,22.81) 68.35,22.32 R9.1 ; U59.4 46.26,124.08 v1(46.33,124.15) ; U42.10 v1(107.05,122.53) 107.05,121.93 106.35,121.23 105.45,121.23 ; v1(102.55,129.73) 102.4,129.58 C428.2 ; 120.8,23.5 v1(120.75,23.45) ; C317.2 v1(103.43,124.73) ; 104.95,121.23 105.05,121.33 U42.2 ; 104.95,121.23 105.45,121.23 ; 121.52,22.63 v1(121.55,22.6) 120.83,22.6 C427.2 ; C321.2 v1(57.25,53.63) ; v1(104.39,129.73) 104.25,129.73 104.1,129.58 C431.2 ; R220.1 124.55,40.73 v1(124.55,40.03) 124.85,39.73 R155.1 ; U18.3 v1(27.85,10.63) ; v2(109.35,34.43) 109.68,34.76 R186.1 ; C424.2 v1(27.85,87.83) ; C158.1 124.4,38.28 v1(124.55,38.43) ; 105.45,121.23 U42.1 ; v1(45.03,124.66) 45.03,124.65 C415.2 ; v1(107.35,36.55) 107.42,36.55 C192.1 ; v1(126.87,134.64) 127.12,134.38 R22.1 ; C316.2 v1(106.85,124.73) ; 98.66,126.17 98.6,126.11 ; v1(126.87,136.21) 127.07,136.41 127.61,136.41 ; C429.2 106.4,129.68 v1(106.35,129.73) ; C422.2 v1(56.45,55.93) ; C320.2 v1(57.25,49.73) ; v1(100.05,129.73) 100.1,129.68 C430.2 ; R208.2 112.68,46.7 v1(112.65,46.73) ; v2(104.05,31.43) 104.05,31.16 R218.2 ; R211.2 v1(133.85,45.13) ; C13.1 v1(63.55,80.93)